# Allegro board OPT8241-CDK-EVM SB REV2P0V1.brd (continued)
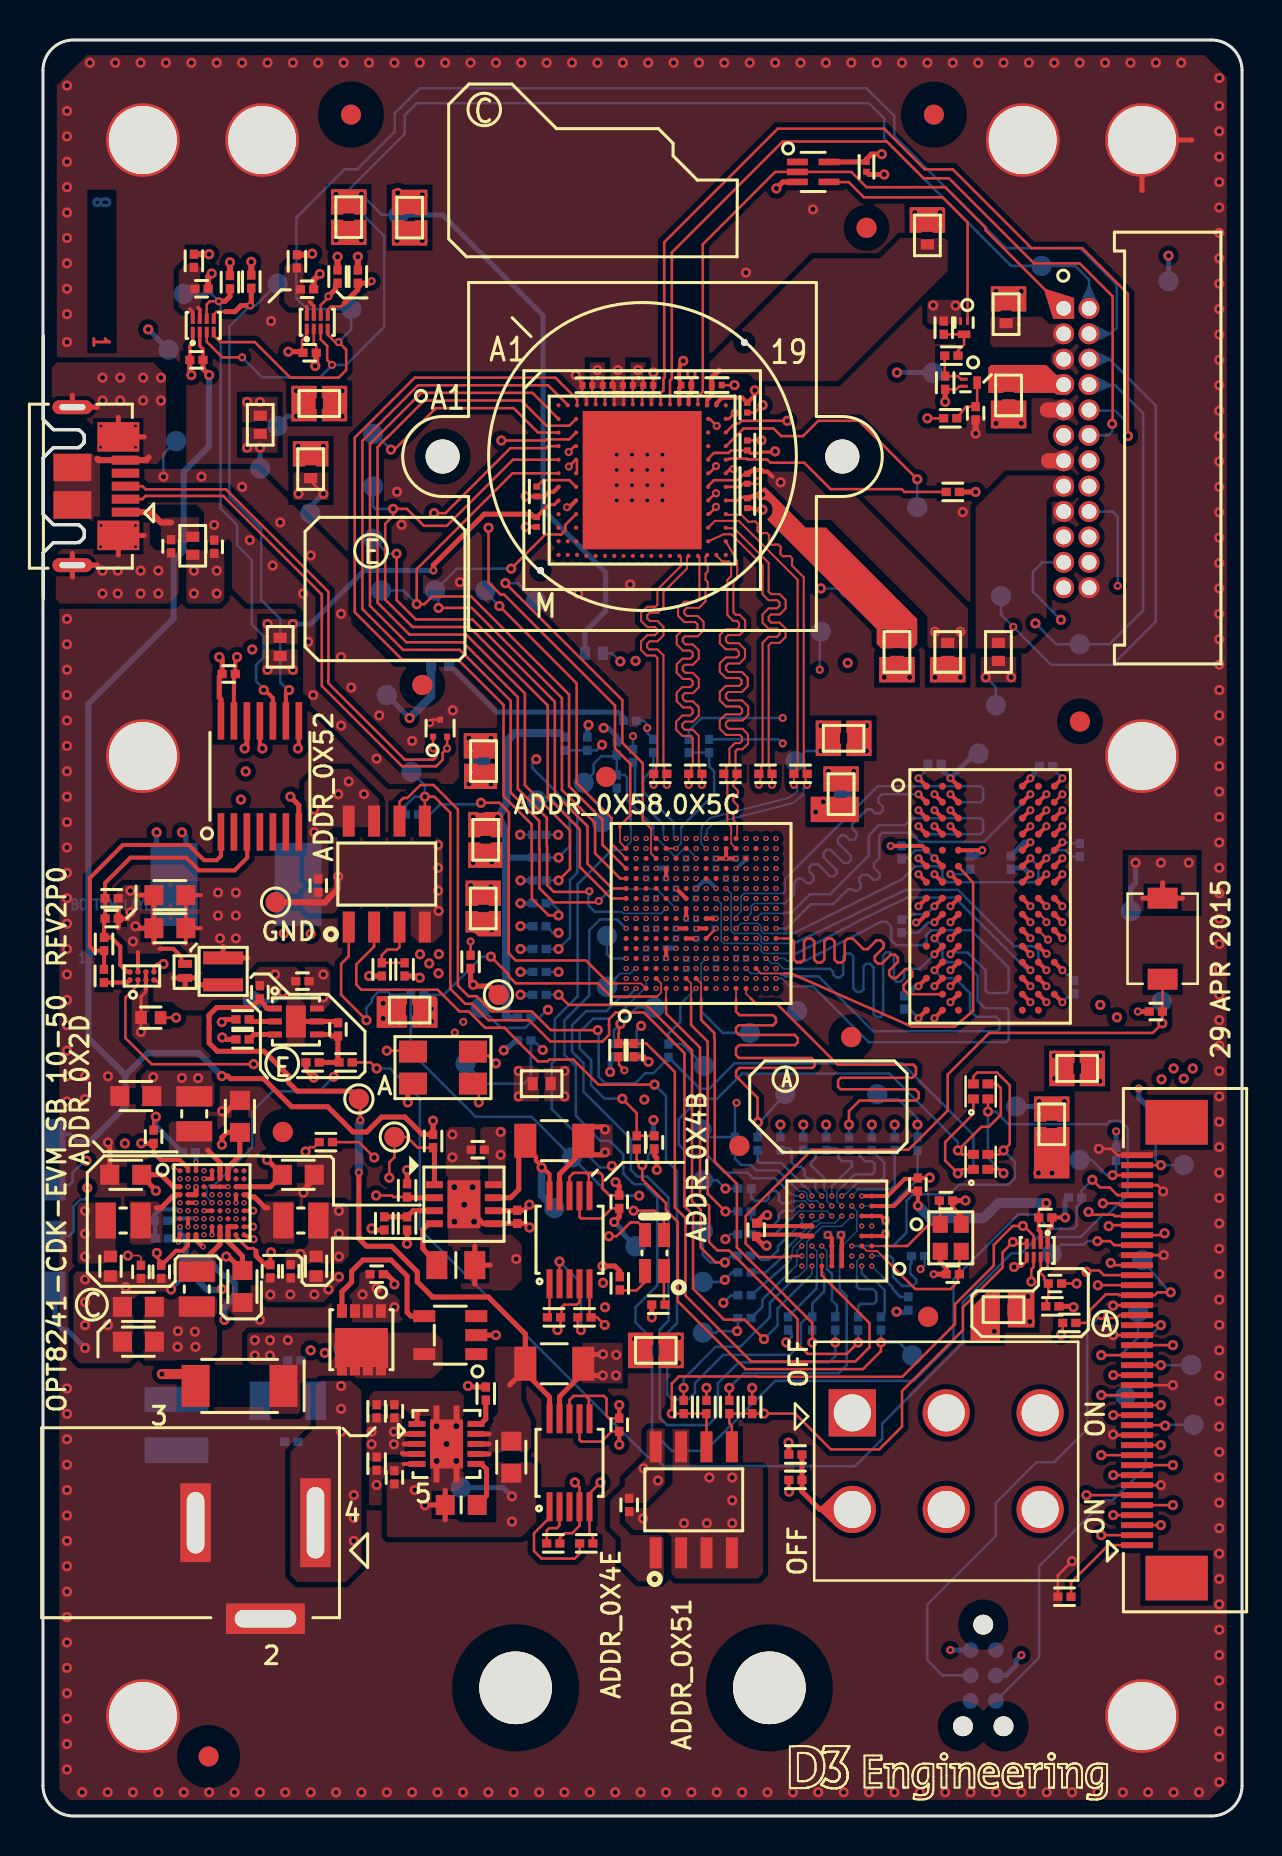
[diagram p0: board, top side]
## Routing (per net, layer and track width the routed paths; a pad name or vN(x,y) marks a point on that pad's centre or on a via; arc(x,y) is an arc through that point) (continued)
N17053952: length 66.3
  TOP w0.127: J2.15 v1(55.94,20.55)
  SIG1 w0.082: v3(33.68,41.88) 33.93,41.63 33.93,40.89
  SIG1 w0.114: 33.93,40.89 33.93,39.68 32.85,38.6 32.85,26.06 33.81,25.1 34.28,25.1 34.5,25.32 34.86,25.32 35,25.46 35,25.8 35.12,25.92 35.36,25.92 35.47,25.8 35.47,25.65 35.59,25.54 36.08,25.54 36.19,25.65 36.19,26.7 36.08,26.81 v1(34.12,26.81)
  SIG2 w0.114: v1(55.94,20.55) 56.81,20.55 57.49,19.86 57.49,15.14 57.61,15.02 57.89,15.02 58.01,15.14 58.01,20.49 57.57,20.92 56.36,20.92 55.86,21.43 53.37,21.43 53.14,21.67 52.24,21.67 52.06,21.85 44.57,21.85 41.66,24.76 39.3,24.76 37.85,26.21 35.25,26.21 34.65,26.81 v1(34.12,26.81)
  BOTTOM w0.127: TP27.1 34.01,26.71 v1(34.12,26.81) 34.49,27.18 R82.2
N17053954: length 66.6
  TOP w0.127: v1(56.15,19.52) 56.11,19.56 55.9,19.56 55.89,19.55 J2.13
  SIG1 w0.082: 33.43,40.89 33.43,41.99 33.58,42.13 33.78,42.13 33.93,42.28 33.93,43.63 v3(34.18,43.88)
  SIG1 w0.114: 33.43,40.89 33.43,40.3 32.48,39.35 32.48,25.91 33.66,24.73 34.43,24.73 34.57,24.87 36.01,24.87 v1(37.19,23.68)
  SIG2 w0.114: v1(56.15,19.52) 57.11,18.57 57.11,17.31 57.09,17.3 57.09,17.18 56.9,16.98 56.31,16.98 55.71,17.58 55.71,17.98 55.37,18.31 55.37,19.84 54.6,20.61 53.32,20.61 53.15,20.45 52.71,20.45 52.13,19.86 52.13,18.7 51.24,17.82 51.24,17.8 50.56,17.12 48.55,17.12 48.31,16.88 48.31,13.74 48.16,13.59 46.93,13.59 46.77,13.75 46.77,16.69 46.19,17.27 44.32,17.27 42.62,18.98 42.62,21.01 41.08,22.55 37.46,22.55 37.19,22.82 v1(37.19,23.68)
  BOTTOM w0.127: v1(56.15,19.52) 56.2,19.57 TP33.1 ; v1(37.19,23.68) 37.46,23.95 37.46,24.13 R85.2
N17053974: length 66.6
  TOP w0.127: J2.19 v1(55.94,22.55)
  SIG2 w0.082: v3(33.18,41.88) 33.32,41.54
  SIG2 w0.114: 33.32,41.54 33.3,41.48 32.07,40.25 32.07,35.82 35.43,32.47 35.48,32.47 35.59,32.36 41.66,32.36 42.12,31.89 42.12,30.24 41.77,29.89 41.77,28.91 43.33,27.35 v2(43.91,27.35) 43.91,27 43.8,26.89 40.54,26.89 40.43,26.77 40.43,26.61 40.54,26.5 43.8,26.5 43.91,26.38 43.91,26.22 43.8,26.11 42.91,26.11 42.79,25.99 42.79,25.9 42.91,25.78 43.8,25.78 43.91,25.67 43.91,24.98 43.81,24.88 43.4,24.88 43.3,24.78 43.3,24.64 43.4,24.54 43.81,24.54 43.91,24.44 43.91,24.2 45.35,22.76 52.44,22.76 52.72,22.48 53.19,22.48 53.47,22.76 53.98,22.76 54.21,22.54 54.21,21.97 54.34,21.84 54.53,21.84 54.66,21.97 54.66,22.64 54.78,22.76 54.99,22.76 55.8,21.95 56.14,21.95 56.31,22.11 56.89,22.11 57.72,21.28 57.95,21.28 58.17,21.5 58.17,25.27 58.05,25.38 57.72,25.38 57.6,25.27 57.6,22.68 57.47,22.55 v1(55.94,22.55)
  BOTTOM w0.127: TP31.1 55.94,22.55 v1(55.94,22.55) ; v2(43.91,27.35) 43.93,27.35 44.12,27.54 R81.2
N17053976: length 67.5
  TOP w0.127: J2.6 v1(52.22,16.05)
  SIG1 w0.114: v1(52.22,16.05) 52.06,16.11 52.02,16.2 52.02,23.15 52.48,23.61 53.19,23.61 53.51,23.3 53.51,23.29 53.52,23.28 53.52,22.82 53.63,22.7 54.01,22.7 54.12,22.82 54.12,24.28 53.89,24.51 53.89,24.95 54.4,25.47 54.4,25.76 54.27,25.89 53.98,25.89 53.85,26.02 53.85,26.21 53.98,26.35 54.27,26.35 54.4,26.49 54.4,29.99 54.09,30.3 54.09,32.47 53.78,32.77 52.99,32.77 52.61,32.4 52.41,32.4 52.25,32.56 52.25,33.87 52.07,34.04 51.82,34.04 51.65,33.87 51.65,33.07 51.53,32.95 51.25,32.95 51.09,33.11 51.09,33.92 50.95,34.06 49.29,34.06 49.15,33.93 49.15,33.26 49,33.11 48.81,33.11 48.69,33.22 48.69,33.93 48.56,34.06 47.13,34.06 46.24,34.95 45.33,34.95 45.33,34.95 44.42,34.95 44.14,34.95 v1(43.76,34.57)
  SIG2 w0.082: 36.93,40.89 36.93,41.49 36.78,41.63 36.65,41.63 36.65,41.63 36.58,41.63 36.43,41.78 36.43,41.86 36.43,41.99 36.28,42.13 35.89,42.13 35.39,42.63 35.08,42.63 34.93,42.78 34.93,42.99 34.78,43.13 34.58,43.13 34.43,43.28 34.43,43.49 34.28,43.63 33.76,43.63 33.68,43.55 v3(33.68,43.38)
  SIG2 w0.114: 36.93,40.89 36.93,40.39 38.44,38.89 44.25,38.89 45.01,38.12 45.01,37.46 45.94,36.53 45.94,34.69 45.82,34.57 45.4,34.57 45.25,34.73 45.25,36.36 45.11,36.5 44.92,36.5 44.79,36.36 44.79,34.69 44.68,34.57 v1(43.76,34.57)
  BOTTOM w0.127: R75.2 v1(43.76,34.57) 43.76,34.88 42.8,35.85 41.99,35.85 TP34.1
N17053978: length 36
  TOP w0.082: 32.43,40.89 32.43,41.63 U8.G2
  TOP w0.127: v1(34.15,30.23) 33.26,31.12 33.26,38.73 32.43,39.55 32.43,40.89 ; J2.34 54.7,30 53.63,30 53.57,30.07 53.09,30.07 53.09,30.07 52.46,30.07 v1(52.32,30.21)
  SIG1 w0.114: v1(52.32,30.21) 52.28,30.21 51.27,31.21 49.97,31.21 49.96,31.21 47.68,31.21 46.16,32.72 45.55,32.72 45.41,32.85 43.98,32.85 43.63,32.5 36.6,32.5 34.33,30.23 v1(34.15,30.23)
  BOTTOM w0.127: R78.2 v1(34.15,30.23)
N17054000: length 65.4
  TOP w0.127: v1(52.21,27.21) 52.28,27.28 52.85,27.28 53.09,27.05 J2.28
  SIG1 w0.082: 37.72,26.96 37.72,28.98 38.2,29.46 40.42,29.46 41.25,30.28 41.96,30.28 42.07,30.28
  SIG1 w0.114: v1(39.65,23.68) 39.65,25.03 37.72,26.96 ; v1(52.21,27.21) 51.03,27.21 49.87,26.05 49.87,25.77 49.51,25.42 48.7,25.42 46.81,27.31 45.36,27.31 42.68,29.98 42.68,29.98 42.38,30.28 42.07,30.28
  BOTTOM w0.127: v3(29.68,41.38) 29.24,40.94 28.88,40.94 28.19,40.25 27.19,40.25 26.48,39.54 26.48,38.22 27.05,37.65 27.05,36.22 29.42,33.85 29.42,32.31 29.75,31.97 30.24,31.97 31.3,30.91 31.3,24.76 30.86,24.32 30.86,19.92 31.23,19.55 33.28,19.55 33.77,20.04 33.77,21.65 34.81,22.68 39.34,22.68 39.65,22.99 v1(39.65,23.68) R87.2
N17054002: length 66.3
  TOP w0.082: U8.E1 31.18,40.89
  TOP w0.127: v1(40.79,23.68) 40.22,23.11 38.26,23.11 37.76,23.61 37.76,24.85 34.34,28.28 33.75,28.28 33.33,28.69 33.33,30.51 32.88,30.97 32.88,38.42 31.18,40.12 31.18,40.89 ; J2.16 v1(52.95,21.05)
  SIG2 w0.114: v1(52.95,21.05) 52.72,20.81 52.18,20.81 51.76,20.39 51.76,19.07 50.26,17.57 48.27,17.57 47.89,17.2 47.89,14.45 47.64,14.2 47.39,14.2 47.14,14.45 47.14,17.02 46.71,17.46 46.68,17.46 46.28,17.86 44.39,17.86 43.14,19.1 43.14,21.07 41.22,22.99 38.05,22.99 37.93,23.11 37.93,24.45 37.74,24.65 35.26,24.65 35.14,24.76 35.14,25.45 35.26,25.56 37.74,25.56 39.03,24.28 40.68,24.28 40.79,24.16 v1(40.79,23.68)
  BOTTOM w0.127: TP32.1 53,21 v1(52.95,21.05) ; R88.2 v1(40.79,23.68)
N17054004: length 65.8
  TOP w0.127: J2.18 v1(53.56,22.05)
  SIG1 w0.082: 35.27,40.89 34.93,41.23 34.93,41.99 34.78,42.13 34.69,42.13 34.43,42.13 v3(34.18,42.38)
  SIG1 w0.114: 35.27,40.89 35.94,40.22 38.53,40.22 38.76,39.99 38.76,39.82 38.65,39.71 38.41,39.71 38.28,39.58 38.28,39.39 38.48,39.18 38.48,38.99 38.36,38.87 38.2,38.87 37.17,39.9 36.98,39.9 36.84,39.77 36.84,39.58 37.84,38.58 37.84,38.35 37.7,38.21 37.51,38.21 36.94,38.79 36.78,38.79 36.65,38.66 36.65,38.42 37.19,37.89 37.19,37.7 37.05,37.57 36.87,37.57 36.66,37.77 36.47,37.77 36.34,37.64 36.34,37.45 36.54,37.24 36.54,37.05 36.37,36.88 34.41,36.88 33.72,36.11 33.72,31.81 v1(34.15,31.37)
  SIG2 w0.082: 37.44,27.19 38.6,27.19 38.81,27.41 39.6,27.41 40.02,27.82 40.02,28.52 40.29,28.79 40.29,29.43 40.06,29.66 37.96,29.66 37.57,30.05 37.57,30.13 37.44,30.27
  SIG2 w0.114: v1(53.56,22.05) 53.28,22.05 53.21,22.11 52.57,22.11 52.37,22.31 44.74,22.31 41.85,25.21 41.61,25.21 41.47,25.34 41.47,25.8 41.34,25.93 41.15,25.93 41.02,25.8 41.02,25.34 40.88,25.21 40.69,25.21 40.56,25.34 40.56,25.8 40.43,25.93 40.24,25.93 40.1,25.8 40.1,25.34 39.97,25.21 39.43,25.21 39.26,25.38 39.26,25.57 39.99,26.3 39.99,26.46 39.87,26.58 39.69,26.58 38.99,25.89 38.75,25.89 38.62,26.02 38.62,26.21 38.96,26.56 38.96,26.78 38.83,26.91 38.66,26.91 38.29,26.54 38.1,26.54 37.88,26.76 36.03,26.76 35.92,26.88 35.92,27.05 36.06,27.19 37.44,27.19 ; v1(34.15,31.37) 34.78,30.75 36.95,30.75 37.44,30.27
  BOTTOM w0.127: TP24.1 33.74,31.79 v1(34.15,31.37) R77.2
N17054006: length 67.2
  TOP w0.127: J2.14 v1(53.56,20.05)
  SIG1 w0.082: v3(33.68,43.88) 33.43,43.63 33.43,42.28 33.28,42.13 33.08,42.13 32.93,41.99 32.93,40.89
  SIG1 w0.114: 32.93,40.89 32.93,40.61 32.02,39.69 32.02,24.52 32.54,24 32.54,23.51 32.66,23.4 33.71,23.4 33.84,23.53 33.84,24.13 33.96,24.25 34.45,24.25 v1(34.73,24.25)
  SIG2 w0.114: v1(34.73,24.25) 36.89,22.09 41.01,22.09 42.25,20.86 42.25,18.34 43.38,17.2 43.38,13.16 44.13,12.42 49.61,12.42 51.61,14.42 51.61,17.66 52.67,18.72 53.08,18.72 53.32,18.48 53.88,18.48 54.19,18.17 54.19,16.99 54.32,16.85 54.89,16.85 55.01,16.97 55.01,19.43 54.4,20.05 v1(53.56,20.05)
  BOTTOM w0.127: TP28.1 33.68,24.17 33.76,24.25 v1(34.73,24.25) 34.78,24.29 R84.2
N17054019: length 69.9
  TOP w0.127: J2.20 v1(52.95,23.05)
  SIG2 w0.082: 33.23,40.89 33.68,41.34 v3(33.68,41.38)
  SIG2 w0.114: v1(52.95,23.05) 52.87,23.13 47.18,23.13 47.18,23.13 46.5,23.13 46.37,23.27 46.37,23.95 46.23,24.08 46.04,24.08 45.91,23.95 45.91,23.27 45.78,23.13 45.53,23.13 45.36,23.3 45.36,23.49 45.45,23.58 45.45,23.77 45.32,23.91 45.13,23.91 45.04,23.82 44.85,23.82 44.53,24.14 44.53,24.3 44.63,24.41 45.77,24.41 45.94,24.58 45.94,24.81 45.83,24.92 44.6,24.92 44.49,25.04 44.49,25.45 44.62,25.58 45.4,25.58 45.53,25.72 45.53,25.91 45.4,26.04 44.62,26.04 44.49,26.17 44.49,26.41 44.6,26.53 44.81,26.53 45.14,26.86 45.14,27.42 44.7,27.86 43.37,27.86 42.68,28.55 42.68,29.06 42.82,29.2 43.28,29.2 43.41,29.06 43.41,28.43 43.55,28.29 43.74,28.29 43.87,28.43 43.87,29.06 44,29.2 44.19,29.2 44.33,29.06 44.33,28.43 44.46,28.29 44.65,28.29 44.78,28.43 44.78,29.06 44.92,29.2 45.11,29.2 45.24,29.06 45.24,28.43 45.38,28.29 45.57,28.29 45.7,28.43 45.7,29.06 45.83,29.2 46.61,29.2 46.72,29.31 46.72,29.54 46.61,29.65 46.47,29.65 46.34,29.79 46.34,29.84 46.2,29.98 46.01,29.98 45.88,29.84 45.88,29.79 45.75,29.65 45.56,29.65 45.32,29.89 45.32,31.74 45.21,31.86 45.02,31.86 44.94,31.77 44.94,31.69 44.9,31.65 44.9,29.79 44.79,29.67 44.62,29.67 44.51,29.79 44.51,29.84 44.38,29.98 44.19,29.98 44.05,29.84 44.05,29.79 43.92,29.65 42.82,29.65 42.68,29.79 42.68,29.98 42.82,30.11 42.96,30.11 43.1,30.25 43.1,30.44 42.96,30.57 42.82,30.57 42.68,30.7 42.68,30.89 42.82,31.03 43.5,31.03 43.66,31.18 43.66,31.37 43.54,31.48 42.82,31.48 42.68,31.62 42.68,31.81 42.82,31.94 43.66,31.94 43.81,32.09 43.81,32.28 43.69,32.4 42.82,32.4 42.68,32.53 42.68,32.63 42.57,32.74 35.75,32.74 35.66,32.83 35.58,32.83 32.44,35.97 32.44,40.1 33.23,40.89
  BOTTOM w0.127: v1(52.95,23.05) 52.97,23.03 53.91,23.03 54.8,23.92 TP69.1
N17054026: length 66.8
  TOP w0.082: 34.68,40.89 U8.M1
  TOP w0.127: 34.68,40.89 34.68,40.22 34.86,40.05 36.53,40.05 36.68,39.9 36.68,39.69 36.53,39.54 34.81,39.54 34.68,39.41 34.68,39.21 34.83,39.06 37.61,39.06 37.77,38.9 37.77,38.69 37.63,38.55 34.83,38.55 34.68,38.4 34.68,38.05 34.83,37.9 38.46,37.9 38.62,37.74 38.62,37.53 38.5,37.41 34.84,37.41 34.68,37.25 34.68,36.99 35.76,35.91 35.76,34.71 v1(35.78,34.69) ; J2.21 v1(56.54,23.55)
  SIG2 w0.114: v1(35.78,34.69) 36.21,35.12 36.65,35.12 36.67,35.14 38.28,35.14 38.61,34.81 38.61,34.35 38.98,33.98 46.15,33.98 47.27,32.86 47.27,27.8 47.14,27.67 46.41,27.67 46.26,27.52 46.26,27.33 46.38,27.21 47.14,27.21 47.27,27.08 47.27,26.89 47.14,26.75 46.06,26.75 45.92,26.62 45.92,26.43 46.06,26.29 47.14,26.29 47.27,26.16 47.27,25.97 47.14,25.84 46.06,25.84 45.92,25.7 45.92,25.51 46.06,25.38 46.82,25.38 46.94,25.27 46.94,23.75 47.18,23.5 51.33,23.5 51.44,23.61 53.19,23.61 53.53,23.27 56.26,23.27 v1(56.54,23.55)
  BOTTOM w0.127: R68.2 35.76,34.67 v1(35.78,34.69) 35.8,34.71 35.9,34.71 35.91,34.73 TP19.1
N17066447: length 34.9
  TOP w0.127: U13.6A 38.97,27.03 41.36,24.64 41.36,23.44 40.65,22.73 35.45,22.73 32.15,26.02 32.15,29.9 31.62,30.43 31.62,37.2 30.19,38.63 R109.2 R16.1 28.8,39.1 28.82,39.12 28.82,39.53 v1(28.9,39.61)
  BOTTOM w0.127: R64.2 28.57,39.28 28.89,39.61 v1(28.9,39.61) 29.71,40.43 TP15.1
N17070107: length 3.6
  BOTTOM w0.082: 37.44,30.26 37.51,30.26 37.76,30.5 v3(37.97,30.5)
  BOTTOM w0.127: R78.1 35.44,29.84 35.66,29.62 35.8,29.62 35.94,29.47 36.48,29.47 36.81,29.81 36.81,30.05 37.02,30.26 37.44,30.26
N17070485: length 3.9
  BOTTOM w0.082: v3(38.97,28.5) 39.22,28.25 39.22,27.34
  BOTTOM w0.127: R87.1 39.73,25.05 39.73,25.52 39.48,25.78 39.48,27.11 39.26,27.34 39.22,27.34
N17070872: length 4.8
  BOTTOM w0.082: v3(40.97,30.5) 42.07,30.5
  BOTTOM w0.127: 42.07,30.5 42.45,30.5 42.83,30.88 42.83,30.92 43.39,31.48 43.42,31.48 43.76,31.82 R75.1
N17072226: length 50.7
  TOP w0.127: 19.11,50.97 19.59,50.97 20.38,50.18 20.38,41.7 20.38,41.7 20.38,41.36 20.39,41.36 21.13,40.62 21.46,40.62 22.28,39.79 24.33,39.79 25.39,38.73 28,38.73 28.33,39.06 28.33,39.54 28.33,39.54 28.33,39.85 28.66,40.18 30.07,40.18 32.1,38.15 32.1,30.49 32.53,30.06 32.53,26.37 34.08,24.82 35.11,24.82 v1(36.08,23.85) ; 19.11,50.97 v1(19.11,50.97) ; 19.11,50.97 U6.5
  BOTTOM w0.082: v3(38.47,27.5) 38.47,27.09 38.34,26.96
  BOTTOM w0.127: 38.34,26.96 36.76,25.38 36.76,24.53 v1(36.08,23.85) ; TP9.1 19.11,51.54 v1(19.11,50.97) 18.59,50.97 18.13,50.51 R51.1
N17072826: length 35.6
  TOP w0.127: v1(16.19,39.79) 14.92,41.06 14.92,42.61 15.3,42.99 U6.1
  SIG2 w0.082: v3(37.97,27.5) 37.44,28.04 37.44,28.1
  SIG2 w0.114: 37.44,28.1 36.28,29.25 34.79,29.25 34.39,29.65 31.2,29.65 v1(29.84,31.02)
  BOTTOM w0.127: v1(29.84,31.02) 28.39,31.02 TP22.1 24.44,34.97 21.65,34.97 18.4,38.22 R60.1 17.41,41.06 17.26,41.21 16.79,41.21 16.46,40.88 16.46,40.7 16.19,40.43 v1(16.19,39.79)
N17127404: length 3.6
  TOP w0.127: U6.3 17.84,43.45 17.71,43.32 17.23,43.32 16.95,43.05 R12.2 R13.2
N17127894: length 7.9
  SIG1 w0.082: v3(32.18,46.88) 31.93,47.13 29.36,47.13 28.71,47.78
  SIG1 w0.114: 28.71,47.78 27.08,47.78 v1(25.79,49.07)
  BOTTOM w0.127: R52.1 v1(25.79,49.07)
N17140742: length 2
  TOP w0.127: R27.2 28.89,26.28 29.7,26.28 30.12,26.7 D3.4
N17140744: length 1.7
  TOP w0.127: R28.2 31.07,25.62 D3.1
N17173300: length 19.6
  TOP w0.082: 28.71,41.63 29.93,41.63 U8.C1
  TOP w0.127: v1(21.92,50.67) 22.84,50.67 23.32,50.19 23.32,49.32 23.31,49.31 23.31,43.13 23.66,42.78 27.17,42.78 28.32,41.63 28.71,41.63
  BOTTOM w0.127: R51.2 19.37,50.09 19.87,50.59 21.84,50.59 v1(21.92,50.67)
N17173348: length 14.4
  TOP w0.082: 30.73,40.98 30.93,41.18 30.93,41.63 U8.D2
  TOP w0.127: v1(22.41,42.97) 23.32,42.06 23.32,41.97 23.66,41.64 27.76,41.64 28.43,40.98 30.73,40.98
  BOTTOM w0.127: v1(22.41,42.97) 21.97,42.97 20.06,41.06 R60.2
N17173438: length 9.9
  TOP w0.127: R16.2 28.8,37.82 28.82,37.79 28.82,37.57 28.95,37.44 28.95,37.43 29.09,37.29 v2(29.09,37.29)
  SIG1 w0.082: 29.43,40.89 29.43,41.49 29.58,41.63 32.35,41.63 33.1,42.38 v3(33.18,42.38)
  SIG1 w0.114: 29.43,40.89 29.43,40.86 28.75,40.17 28.66,40.17 28.33,39.84 28.33,39.37 29.09,38.61 v2(29.09,37.29)
N17179888: length 7.2
  TOP w0.082: U8.E15 v3(31.68,48.38)
  BOTTOM w0.082: 31.94,49.38 31.93,49.37 31.93,48.63 v3(31.68,48.38)
  BOTTOM w0.127: 31.94,49.38 31.94,49.45 33.59,51.1 33.59,52.24 33.33,52.49 R99.1 R101.1
N17181360: length 4.5
  BOTTOM w0.082: 31.05,49.38 31.05,49.01 v3(31.18,48.88)
  BOTTOM w0.127: 31.05,49.38 31.05,49.57 29.63,50.99 29.63,52.57 R100.1
N17181363: length 5.2
  BOTTOM w0.082: v3(31.68,48.88) 31.56,49.01 31.56,49.38
  BOTTOM w0.127: R102.1 30.54,52.37 30.06,51.89 30.06,51.8 30.04,51.78 30.04,51.35 30.06,51.33 30.06,51.2 31.56,49.7 31.56,49.38
N1677684126: length 11.6
  TOP w0.127: v1(13.14,33.23) 13.36,33.44 13.57,33.44 R21.1
  SIG1 w0.081: v3(8.86,29.87) 9.08,29.65 9.08,29.01
  SIG1 w0.114: v1(13.14,33.23) 13.14,33.15 11.99,32 11.99,27.94 11.5,27.46 10.23,27.46 9.75,27.94 9.75,28.31 9.08,28.98 9.08,29.01

## Copper pours and planes (outline as drawn; the poured copper is in the pictures)
GND on TOP: 0.87,60.62 0.64,60.85 0.64,63.06 0.94,63.35 2.38,63.35 2.47,63.44 2.47,64.69 2.3,64.86 0.64,64.86 0.57,64.94 0.57,67.73 2.09,67.73 2.47,68.12 2.47,69.51 2.09,69.89 0.69,69.89 0.44,70.15 0.44,72.43 0.69,72.69 5.52,72.69 6.16,72.05 6.16,68.06 5.7,67.61 3.49,67.61 3.04,68.05 2.85,67.86 2.85,65.07 3.23,64.69 5.34,64.69 5.34,63.59 5.65,63.29 6.66,63.29 6.79,63.16 6.79,61.13 6.28,60.62
GND on PWR1: 0.95,1.58 0.95,63.29 2.15,63.29 2.43,63.57 2.43,64.67 2.32,64.78 1.2,64.78 1.2,67.92 2.03,67.92 2.34,68.22 2.34,69.52 2.02,69.83 0.95,69.83 0.95,87.31 1.57,87.93 58.53,87.93 59.48,86.98 59.49,86.98 59.49,1.93 59.36,1.8 59.36,1.79 58.12,0.55 1.99,0.55 0.96,1.58 ; 23 cut-outs
GND on PWR2: 0.95,1.54 0.95,63.39 1.19,63.39 1.19,63.39 2.25,63.39 2.43,63.57 2.43,64.67 2.32,64.78 0.95,64.78 0.95,67.92 2.03,67.92 2.34,68.22 2.34,69.52 2.02,69.83 0.95,69.83 0.95,86.97 1.9,87.93 58.64,87.93 59.49,87.07 59.49,1.52 58.65,0.68 1.81,0.68 ; 10 cut-outs
GND on GND2: 0.76,1.9 0.76,62.91 2.09,62.91 2.47,63.29 2.47,64.69 2.25,64.91 1.05,64.91 0.76,65.19 0.76,67.73 2.09,67.73 2.35,67.99 2.35,69.77 2.09,70.02 0.76,70.02 0.76,87.15 1.66,88.05 58.36,88.05 59.24,87.17 59.24,1.5 58.48,0.74 1.93,0.74 0.77,1.9 ; 4 cut-outs
GND_SIGNAL on TOP: 14.92,27.24 14.92,27.22 15.05,27.09 15.05,26.71 14.03,25.7 11.24,25.7 11,25.93 11,26.98 11.13,27.11 12.65,27.11 12.78,27.24
GND_SIGNAL on TOP: 17.28,13.94 17.2,14.01 17.2,16.68 17.37,16.84 19.27,16.84 19.4,16.97 19.4,20 18.45,20 17.97,20.49 16.32,20.49 16.32,21 16.57,21.25 20.89,21.25 21.05,21.09 21.05,16.57 20.67,16.19 20.67,14.86 20.84,14.69 22.68,14.69 22.68,17.69 24.44,17.69 24.69,17.44 24.69,14.69 23.94,13.94
GND_SIGNAL on TOP: 1.7,27.24 6.17,27.24 6.17,27.08 6.66,26.59 6.66,26.33 6.41,26.08 4.78,26.08 4.52,25.82 4.52,22.89 4.27,22.64 1.86,22.64 1.52,22.97 1.52,27.06
GND_SIGNAL on TOP: 13.15,38.45 12.09,38.45 12.09,40.6 11.97,40.73 11.33,40.73 11.21,40.86 11.21,41.45 10.6,41.45 10.6,42.21 10.85,42.46 12.65,42.46 12.86,42.26 12.86,40.86 13.15,40.57
GND_SIGNAL on TOP: 32.35,17.43 35.97,17.43 36.03,17.37 36.03,12.13 35.78,11.88 31.68,11.88 31.44,12.13 31.44,13.97 31.1,14.3 29.56,14.3 29.12,14.74 29.12,15.44 29.13,15.45 30.32,15.45 31.51,16.63 31.51,19.35 32.35,19.35
GND_SIGNAL on TOP: 4.12,67.35 10.73,67.35 15.43,62.65 15.43,59.61 17.57,57.47 20.77,57.47 22.79,55.45 22.79,54.58 22.57,54.36 20.9,54.36 20.89,54.34 20.89,51.99 20.51,51.61 17.33,51.61 13.37,55.57 13.37,55.83 13.01,56.18 13.01,60.24 12.63,60.62 10.22,60.62 9.46,61.38 9.46,63.67 8.82,64.31 8.31,64.31 8.06,64.56 8.06,65.19 7.68,65.58 4.12,65.58 3.87,65.83 3.87,67.1
GND_SIGNAL on TOP: 20.28,28.43 20.28,31.74 20.15,31.86 20.15,32.5 20.16,32.51 20.16,34.25 20.36,34.46 21.51,34.46 21.63,34.33 21.63,32.92 21.89,32.67 21.89,31.82 21.8,31.74 21.8,29.32 22.06,29.07 23.45,29.07 23.96,28.56 23.96,26.78 23.45,26.28 21.04,26.28 20.91,26.4 20.91,27.8
GND_SIGNAL on TOP: 14.54,48.94 19.74,48.94 20,48.68 20,44.11 19.55,43.67 18.79,43.67 18.35,44.11 18.35,45.26 18.22,45.38 14.79,45.38 14.54,45.13 13.27,45.13 13.01,45.38 13.01,46.14 13.27,46.4 14.41,46.4 14.54,46.53
GND_SIGNAL on TOP: 8.19,63.67 9.08,63.67 9.2,63.8 9.2,64.69 8.95,64.94 8.19,64.94 8.06,64.81 8.06,63.8
GND_SIGNAL on TOP: 54.29,48.05 54.29,45.26 57.72,45.26 57.72,48.05
GND_SIGNAL on BOTTOM: 7.69,43.59 5.5,43.59 5.14,43.94 5.14,49.3 5.5,49.66 7.57,49.66 7.72,49.5 7.72,43.61
GND_SIGNAL on BOTTOM: 12.76,22.4 12.76,23.16 13.14,23.54 14.92,23.54 15.43,23.03 15.43,22.52 15.05,22.14 13.01,22.14
GND_SIGNAL on GND1: 0.76,0.76 0.76,61.26 2.22,61.26 2.73,61.77 2.73,64.56 1.96,65.32 0.76,65.32 0.76,67.86 2.22,67.86 2.85,68.5 2.85,70.78 2.47,71.16 1.02,71.16 0.76,71.42 0.76,88.01 59.24,88.01 59.24,0.76
GND_SIGNAL on PWR1: 48.7,10.2 48.7,22.02 49.41,22.73 51.83,22.73 52.13,23.04 52.13,31.57 50.94,32.77 36.21,32.77 35.37,31.92 35.37,27.76 36.2,26.92 41.5,26.92 41.97,26.46 41.97,19.35 41.33,18.71 38.79,18.71 37.27,20.24 32.44,20.24 31.81,20.87 31.81,40.68 31.98,40.85 36.68,40.85 37,40.53 50.72,40.53 59.24,32.01 59.24,8.93 49.97,8.93
GND_SIGNAL on PWR2: 46.91,7.8 36.76,17.95 36.76,21 35.49,22.27 33.84,22.27 33.33,22.78 33.33,29.13 33.59,29.38 35.24,29.38 37.02,27.6 39.43,27.6 39.81,27.98 39.81,29.25 39.56,29.51 37.91,29.51 36.89,30.52 35.49,30.52 35.37,30.4 34.48,30.4 33.59,31.29 33.59,31.41 33.84,31.67 34.73,31.67 35.49,30.9 37.4,30.9 38.41,29.89 39.94,29.89 40.7,29.13 41.59,29.13 41.72,29.25 41.72,30.52 41.84,30.65 41.84,31.67 41.21,32.3 35.37,32.3 31.17,36.49 31.17,40.81 31.3,40.94 37.78,40.94 39.68,39.03 44.26,39.03 47.43,35.86 47.43,25.82 47.05,25.44 47.05,23.92 47.3,23.67 51.24,23.67 51.37,23.79 55.3,23.79 57.72,26.21 59.11,26.21 59.24,26.08 59.24,11.97 55.07,7.8
VCC_0V9 on TOP (solid shape): 39.94,54.16 39.87,54.16 39.87,53.62 39.94,53.62 39.94,53 38.67,53 38.67,54.78 39.94,54.78
VCC_0V9 on PWR1: 8.19,32.43 2.85,32.43 1.79,33.49 1.79,49.14 3.74,51.1 12,51.1 18.86,57.96 38.29,57.96 39.56,56.69 39.56,53.26 38.79,52.49 37.27,52.49 34.86,54.91 20.76,54.91 20,54.15 20,49.45 18.81,48.26 5.22,48.26 4.2,47.24 4.2,35.78 5.9,34.08 7.93,34.08 8.19,33.83
VCC_1V2 on TOP (solid shape): 21.78,52.56 22.32,52.56 22.32,52.62 22.73,52.62 22.73,51.35 21.07,51.35 21.07,52.62 21.78,52.62
VCC_1V2 on TOP (solid shape): 18.22,40.57 18.15,40.57 18.15,40.03 18.22,40.03 18.22,39.41 16.7,39.41 16.7,41 18.22,41
VCC_1V2 on TOP: 4.9,35.49 8.46,35.49 8.59,35.62 8.59,37.17 8.37,37.38 5.28,37.38 4.9,37
VCC_1V2 on BOTTOM: 7.93,31.92 4.89,34.97 4.89,38.02 8.57,38.02 9.97,36.62 9.97,33.32 8.57,31.92 ; 1 cut-out
VCC_1V2 on SIG2: 7.17,31.92 6.16,31.92 6.16,38.4 8.95,41.19 10.98,41.19 13.75,43.96 13.75,57.19 15.48,58.93 23.12,58.93 24.55,57.5 24.55,52.18 23.3,50.94 21.23,50.94 20.73,51.44 20.75,51.47 20.75,55.78 20.6,55.92 17.71,55.92 17.46,55.67 17.33,51.32 17.33,39.29 11.49,33.44 7.55,33.44 7.17,33.06
VCC_1V5 on TOP: 5.03,25.97 8.59,25.97 8.71,25.84 8.71,23.15 8.34,22.78 5.15,22.78 5.03,22.89
VCC_1V5 on TOP: 9.96,68.17 11.74,68.17 11.74,69.44 9.96,69.44
VCC_1V5 on SIG2: 4.38,22.4 1.84,24.94 1.84,42.46 2.35,42.97 4.63,42.97 8.06,46.4 8.06,68.85 8.25,69.04 19.58,69.04 20.83,67.79 20.83,62.73 17.33,59.23 15.3,59.23 13.33,57.26 13.33,44.3 10.6,41.57 8.82,41.57 5.9,38.65 5.9,29.63 6.28,29.25 8.31,29.25 8.31,22.4
VCC_1V8 on TOP (solid shape): 43.62,56.69 41.84,56.69 41.84,57.96 43.62,57.96
VCC_1V8 on TOP (solid shape): 46.16,56.69 44.38,56.69 44.38,57.96 46.16,57.96
VCC_1V8 on TOP (solid shape): 30.54,23.55 30.47,23.55 30.47,23.01 30.54,23.01 30.54,22.4 29.27,22.4 29.27,24.17 30.54,24.17
VCC_1V8 on TOP (solid shape): 53.15,36.49 51.88,36.49 51.88,37.11 51.94,37.11 51.94,37.65 51.88,37.65 51.88,38.27 53.15,38.27
VCC_1V8 on TOP: 13.28,28.61 13.28,30.67 15.06,30.67 15.32,30.41 15.32,28 14.94,27.62 13.41,27.62 13.4,27.61 13.17,27.61 13.03,27.47 12.14,27.47 12.14,28.23 12.27,28.36 13.03,28.36
VCC_1V8 on TOP: 46.92,56.69 48.7,56.69 48.7,57.96 46.92,57.96
VCC_1V8 on TOP: 24.82,35.73 24.82,37.51 23.55,37.51 23.55,35.73
VCC_1V8 on TOP: 10.98,57.07 12.76,57.07 12.76,58.34 10.98,58.34
VCC_1V8 on PWR2: 10.96,57.42 12,58.46 54.8,58.46 58.23,55.03 58.23,40.09 56.18,38.04 55.36,38.04 53.82,36.49 52.42,36.49 52.12,36.79 52.12,38.39 52.13,38.4 52.13,51.86 50.86,53.13 36.89,53.13 34.35,55.67 17.84,55.67 13.01,50.84 13.01,48.45 14.78,46.68 14.78,40.82 15.55,40.05 21.78,40.05 24.57,37.25 24.57,33.95 24.32,33.7 22.03,33.7 20,35.73 18.09,35.73 16.06,33.7 16.06,31.03 18.22,28.87 23.05,28.87 24.57,27.35 24.57,27.22 27.36,24.43 30.16,24.43 30.16,20.24 20.13,20.24 12.95,27.41 9.78,27.41 8.57,28.62 8.57,30.79 9.42,30.79 9.74,30.47 9.74,29.58 10.16,29.16 11.78,29.16 12.74,30.11 12.74,39.26 12.21,39.78 12.21,46.92 10.96,48.17
VCC_1V8 on SIG2: 9.1,30.92 9.1,31.31 9.33,31.31 9.5,31.47 11.39,31.47 13.23,29.63 13.23,27.88 13.18,27.83 12.41,27.83 10.92,29.31 10.92,30.33 10.37,30.87 9.47,30.87 9.48,30.89 9.14,30.89
VCC_2V5 on TOP (solid shape): 21.89,48.62 22.43,48.62 22.43,48.68 22.99,48.68 22.99,47.41 21.27,47.41 21.27,48.68 21.89,48.68
VCC_2V5 on TOP (solid shape): 22.92,45.51 22.3,45.51 22.3,45.58 21.76,45.58 21.76,45.51 21.14,45.51 21.14,46.78 22.92,46.78
VCC_2V5 on TOP (solid shape): 40.83,51.22 40.21,51.22 40.21,51.29 39.67,51.29 39.67,51.22 39.07,51.22 39.05,51.22 39.05,52.49 40.83,52.49
VCC_2V5 on BOTTOM: 10.35,30.02 17.2,30.02 18.98,31.79 18.98,36.75 17.97,37.76 17.97,42.21 19.87,44.11 22.67,44.11 22.67,48.81 18.6,48.81 17.59,49.83 17.59,54.02 17.33,54.27 17.33,57.07 18.47,58.21 20.58,58.21 20.58,58.06 22.79,55.86 36.44,55.86 38.41,53.89 38.41,52.62 39.2,51.83 41.18,51.83 41.97,52.62 41.97,54.27 39.02,57.23 23.78,57.23 21.22,59.79 21.22,60.11 15.55,60.11 12.89,57.45 12.89,55.03 14.66,53.26 14.66,42.63 10.73,38.7 10.73,30.78 10.35,30.4
VCC_3V3 on TOP (solid shape): 16.19,80.08 15.57,80.08 15.57,80.15 15.03,80.15 15.03,80.08 14.41,80.08 14.41,81.35 16.19,81.35
VCC_3V3 on TOP (solid shape): 49.21,75.23 48.46,75.23 48.46,75.3 47.92,75.3 47.92,75.23 47.43,75.23 47.43,76.5 49.21,76.5
VCC_3V3 on TOP: 3.63,27.62 1.85,27.62 1.73,27.75 1.73,30.54 1.85,30.67 3.51,30.67 3.63,30.54